# KiCad board hermod-right.kicad_pcb (continued)
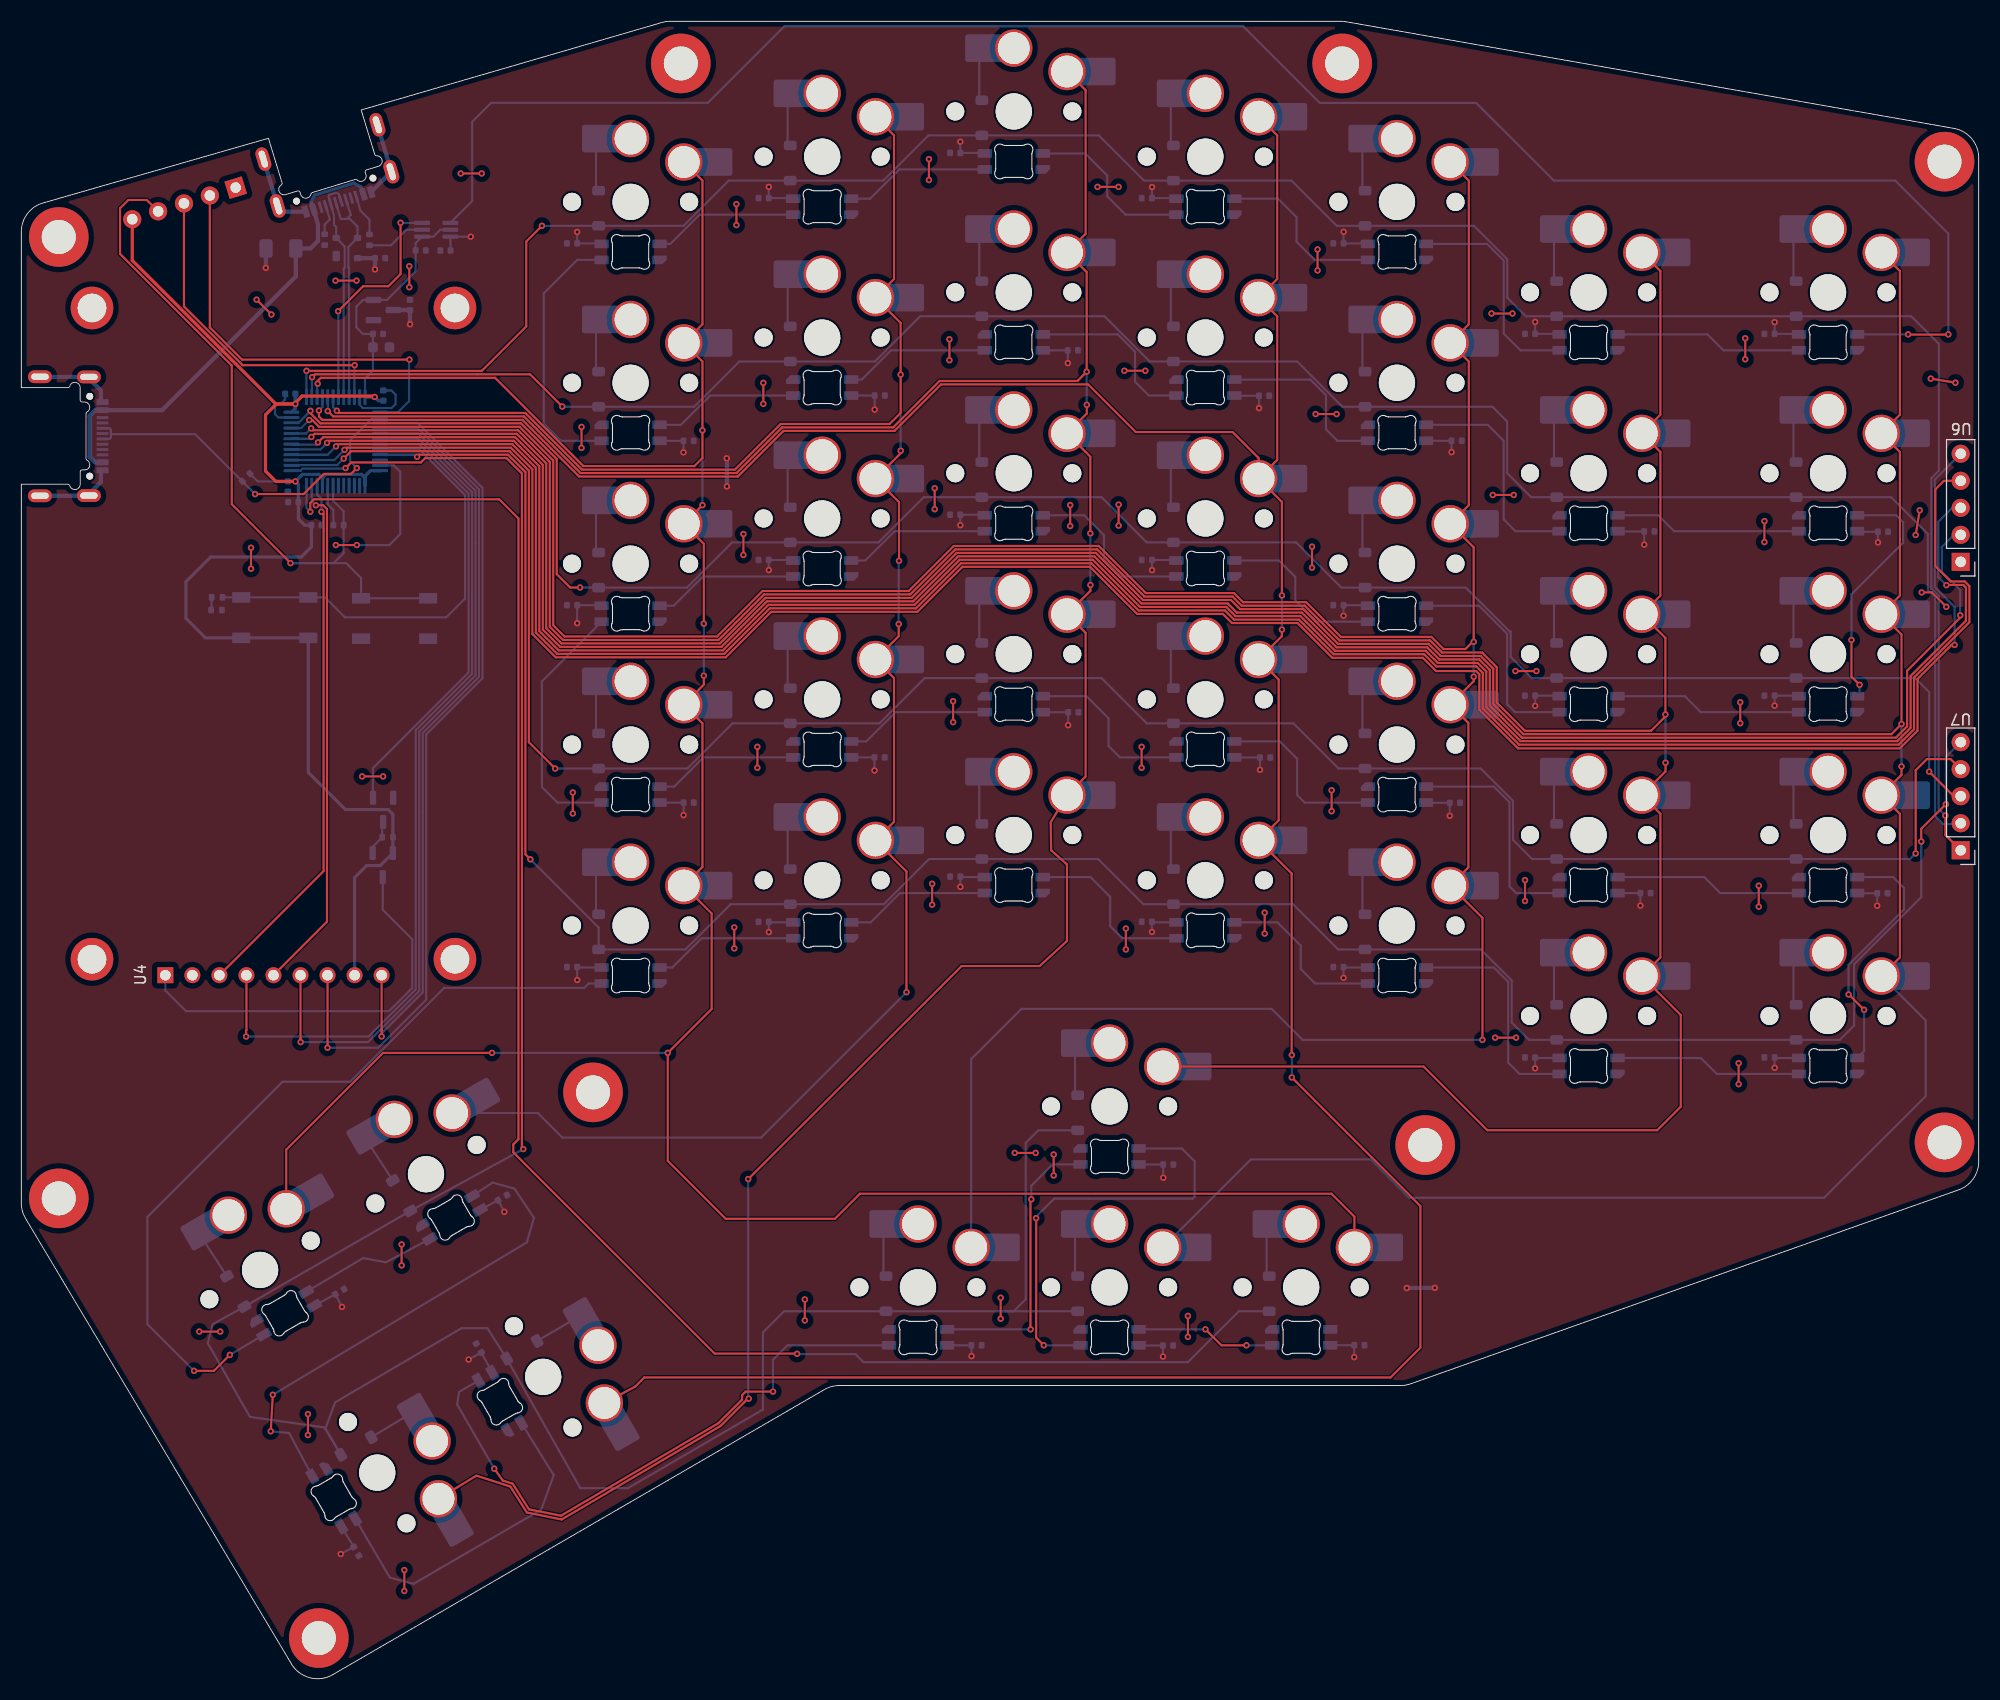
[diagram p0: board, top side]
## Footprints (pads in the part's own frame, mm; a bottom-side part is the same pattern mirrored in y, then rotated) (continued)
  oval 1.2x2.25 hole 0.6x1.65: S1(-5.595,-4.68) S1(-5.575,-0.08) S1(5.575,-0.08) S1(5.595,-4.68)

## Nets
+3V3: BOOT1.1 C44.2 C101.1 C102.1 C103.1 C104.1 C105.1 C106.1 C108.1 J2.5 Q1.2 R5.1 R6.1 U1.1 U1.9 U1.24 U1.36 U1.48 U3.2 U4.8 U5.1 U5.5
+5V: C1.1 C2.1 C3.1 C4.1 C5.1 C6.1 C7.1 C8.1 C9.1 C10.1 C11.1 C12.1 C13.1 C14.1 C15.1 C16.1 C17.1 C18.1 C19.1 C20.1 C21.1 C22.1 C23.1 C24.1 C25.1 C26.1 C27.1 C28.1 C29.1 C30.1 C31.1 C32.1 C33.1 C34.1 C35.1 C36.1 C37.1 C38.1 C39.1 C40.1 C41.1 C42.1 C43.1 C45.1 C107.1 C109.1 F1.2 LED1.1 LED2.1 LED3.1 LED4.1 LED5.1 LED6.1 LED7.1 LED8.1 LED9.1 LED10.1 LED11.1 LED12.1 LED13.1 LED14.1 LED15.1 LED16.1 LED17.1 LED18.1 LED19.1 LED20.1 LED21.1 LED22.1 LED23.1 LED24.1 LED25.1 LED26.1 LED27.1 LED28.1 LED29.1 LED30.1 LED31.1 LED32.1 LED33.1 LED34.1 LED35.1 LED36.1 LED37.1 LED38.1 LED39.1 LED40.1 LED41.1 LED42.1 LED43.1 U2.4 U3.3 U5.6
GND: C1.2 C2.2 C3.2 C4.2 C5.2 C6.2 C7.2 C8.2 C9.2 C10.2 C11.2 C12.2 C13.2 C14.2 C15.2 C16.2 C17.2 C18.2 C19.2 C20.2 C21.2 C22.2 C23.2 C24.2 C25.2 C26.2 C27.2 C28.2 C29.2 C30.2 C31.2 C32.2 C33.2 C34.2 C35.2 C36.2 C37.2 C38.2 C39.2 C40.2 C41.2 C42.2 C43.2 C44.1 C45.2 C100.2 C101.2 C102.2 C103.2 C104.2 C105.2 C106.2 C107.2 C108.2 C109.2 H1.1 H2.1 H3.1 H4.1 H5.1 H6.1 H7.1 H8.1 H9.1 J1.A1 J1.A12 J1.B1 J1.B12 J1.S1 J2.1 J3.A1 J3.A12 J3.B1 J3.B12 J3.S1 LED1.4 LED2.4 LED3.4 LED4.4 LED5.4 LED6.4 LED7.4 LED8.4 LED9.4 LED10.4 LED11.4 LED12.4 LED13.4 LED14.4 LED15.4 LED16.4 LED17.4 LED18.4 LED19.4 LED20.4 LED21.4 LED22.4 LED23.4 LED24.4 LED25.4 LED26.4 LED27.4 LED28.4 LED29.4 LED30.4 LED31.4 LED32.4 LED33.4 LED34.4 LED35.4 LED36.4 LED37.4 LED38.4 LED39.4 LED40.4 LED41.4 LED42.4 LED43.4 Q2.2 R1.1 R2.2 R4.2 RST1.2 U1.8 U1.23 U1.35 U1.47 U2.1 U3.1 U4.2 U5.2 U6.1
VBUS: F1.1 J1.A4 J1.A9 J1.B4 J1.B9 J3.A4 J3.A9 J3.B4 J3.B9
/B9: U1.46
/C13: U1.2
/C14: U1.3
/C15: U1.4
/F0: U1.5
/F1: U1.6
BOOT0: BOOT1.2 R3.1 U1.44
col0: CH1.1 CH8.1 CH15.1 CH22.1 CH29.1 CH36.1 CH43.1 U1.27
col1: CH2.1 CH9.1 CH16.1 CH23.1 CH30.1 CH37.1 U1.30
col2: CH3.1 CH10.1 CH17.1 CH24.1 CH31.1 CH38.1 U1.29
col3: CH4.1 CH11.1 CH18.1 CH25.1 CH32.1 CH39.1 U1.28
col4: CH5.1 CH12.1 CH19.1 CH26.1 CH33.1 CH40.1 U1.21
col5: CH6.1 CH13.1 CH20.1 CH27.1 CH34.1 CH41.1 U1.20
col6: CH7.1 CH14.1 CH21.1 CH28.1 CH35.1 CH42.1 U1.19
col7: U1.15 U6.5
col8: U1.16 U6.4
col9: U1.17 U6.3
col10: U1.18 U6.2
D+: J1.A6 J1.B6 U1.33 U2.3
D-: J1.A7 J1.B7 U1.32 U2.2
DOut1: LED1.2 LED8.3
DOut2: LED14.2 LED21.3
DOut3: LED15.2 LED22.3
DOut4: LED28.2 LED35.3
DOut5: LED29.2 LED36.3
LCD_CS: U1.10 U4.3
LCD_DC: U1.11 U4.5
LCD_EN: Q2.1 U1.43
LCD_MISO: U1.40 U4.9
LCD_MOSI: U1.41 U4.6
LCD_PWR: Q1.3 U4.1
LCD_RST: U1.42 U4.4
LCD_SCK: U1.39 U4.7
NRST: C100.1 J2.4 RST1.1 U1.7
RGB3.3: U1.31 U5.3
RGB5v: LED7.3 U5.4
row0: D1.1 D2.1 D3.1 D4.1 D5.1 D6.1 D7.1 U1.25 U7.1
row1: D8.1 D9.1 D10.1 D11.1 D12.1 D13.1 D14.1 U1.26 U7.2
row2: D15.1 D16.1 D17.1 D18.1 D19.1 D20.1 D21.1 U1.22 U7.3
row3: D22.1 D23.1 D24.1 D25.1 D26.1 D27.1 D28.1 U1.14 U7.4
row4: D29.1 D30.1 D31.1 D32.1 D33.1 D34.1 D35.1 U1.45 U7.5
row5: D36.1 D37.1 D38.1 D39.1 D40.1 D41.1 D42.1 U1.13
row6: D43.1 U1.12
SplitSerial: J3.A6 J3.B6 R5.2 U1.38
SWCLK: J2.2 U1.37
SWD: J2.3 U1.34
Net-(D1-A): CH1.2 D1.2
Net-(D2-A): CH2.2 D2.2
Net-(D3-A): CH3.2 D3.2
Net-(D4-A): CH4.2 D4.2
Net-(D5-A): CH5.2 D5.2
Net-(D6-A): CH6.2 D6.2
Net-(D7-A): CH7.2 D7.2
Net-(D8-A): CH8.2 D8.2
Net-(D9-A): CH9.2 D9.2
Net-(D10-A): CH10.2 D10.2
Net-(D11-A): CH11.2 D11.2
Net-(D12-A): CH12.2 D12.2
Net-(D13-A): CH13.2 D13.2
Net-(D14-A): CH14.2 D14.2
Net-(D15-A): CH15.2 D15.2
Net-(D16-A): CH16.2 D16.2
Net-(D17-A): CH17.2 D17.2
Net-(D18-A): CH18.2 D18.2
Net-(D19-A): CH19.2 D19.2
Net-(D20-A): CH20.2 D20.2
Net-(D21-A): CH21.2 D21.2
Net-(D22-A): CH22.2 D22.2
Net-(D23-A): CH23.2 D23.2
Net-(D24-A): CH24.2 D24.2
Net-(D25-A): CH25.2 D25.2
Net-(D26-A): CH26.2 D26.2
Net-(D27-A): CH27.2 D27.2
Net-(D28-A): CH28.2 D28.2
Net-(D29-A): CH29.2 D29.2
Net-(D30-A): CH30.2 D30.2
Net-(D31-A): CH31.2 D31.2
Net-(D32-A): CH32.2 D32.2
Net-(D33-A): CH33.2 D33.2
Net-(D34-A): CH34.2 D34.2
Net-(D35-A): CH35.2 D35.2
Net-(D36-A): CH36.2 D36.2
Net-(D37-A): CH37.2 D37.2
Net-(D38-A): CH38.2 D38.2
Net-(D39-A): CH39.2 D39.2
Net-(D40-A): CH40.2 D40.2
Net-(D41-A): CH41.2 D41.2
Net-(D42-A): CH42.2 D42.2
Net-(D43-A): CH43.2 D43.2
Net-(J1-CC1): J1.A5 R1.2
Net-(J1-CC2): J1.B5 R2.1
Net-(LED1-DIN): LED1.3 LED2.2
Net-(LED2-DIN): LED2.3 LED3.2
Net-(LED3-DIN): LED3.3 LED4.2
Net-(LED4-DIN): LED4.3 LED5.2
Net-(LED5-DIN): LED5.3 LED6.2
Net-(LED6-DIN): LED6.3 LED7.2
Net-(LED8-DOUT): LED8.2 LED9.3
Net-(LED10-DIN): LED9.2 LED10.3
Net-(LED10-DOUT): LED10.2 LED11.3
Net-(LED11-DOUT): LED11.2 LED12.3
Net-(LED12-DOUT): LED12.2 LED13.3
Net-(LED13-DOUT): LED13.2 LED14.3
Net-(LED15-DIN): LED15.3 LED16.2
Net-(LED16-DIN): LED16.3 LED17.2
Net-(LED17-DIN): LED17.3 LED18.2
Net-(LED18-DIN): LED18.3 LED19.2
Net-(LED19-DIN): LED19.3 LED20.2
Net-(LED20-DIN): LED20.3 LED21.2
Net-(LED22-DOUT): LED22.2 LED23.3
Net-(LED23-DOUT): LED23.2 LED24.3
Net-(LED24-DOUT): LED24.2 LED25.3
Net-(LED25-DOUT): LED25.2 LED26.3
Net-(LED26-DOUT): LED26.2 LED27.3
Net-(LED27-DOUT): LED27.2 LED28.3
Net-(LED29-DIN): LED29.3 LED30.2
Net-(LED30-DIN): LED30.3 LED31.2
Net-(LED31-DIN): LED31.3 LED32.2
Net-(LED32-DIN): LED32.3 LED33.2
Net-(LED33-DIN): LED33.3 LED34.2
Net-(LED34-DIN): LED34.3 LED35.2
Net-(LED36-DOUT): LED36.2 LED37.3
Net-(LED37-DOUT): LED37.2 LED38.3
Net-(LED38-DOUT): LED38.2 LED39.3
Net-(LED39-DOUT): LED39.2 LED40.3
Net-(LED40-DOUT): LED40.2 LED41.3
Net-(LED41-DOUT): LED41.2 LED42.3
Net-(LED42-DOUT): LED42.2 LED43.3
Net-(Q1-G): Q1.1 Q2.3 R6.2
Net-(R3-Pad2): R3.2 R4.1

Pads without a net: J1 A8 B8; J3 A5 A7 A8 B5 B7 B8; LED43 2

## Via types
v1: diameter 0.6, hole 0.3, Top to Bottom, 250 vias

## Routing (per net, layer and track width the routed paths; a pad name or vN(x,y) marks a point on that pad's centre or on a via; arc(x,y) is an arc through that point)
+3V3: length 163.8
  Top w0.3: v1(33.2,120.45) 33.11,120.53 26.38,120.53 25.75,119.9 v1(25.75,119.79) ; J2.5 10.43,133.28 23.91,119.79 v1(25.75,119.79) ; v1(25.75,119.79) 23.96,119.79 22.94,118.77 22.94,113.48 23.91,112.51 v1(25.75,112.51)
  Bottom w0.2: U5.5 39.36,136.16 38.71,135.51 U5.1 37.04,134.9 C44.2 37.04,132.25 34.36,129.57 U3.2 32.11,129.57 31.48,128.94 31.48,126.98 32.09,126.37 C105.1 33.04,126.37 C101.1 33.04,122.92 32.29,122.17 U1.36 32.3,120.45 ; R5.1 22.21,112.51 C104.1
  Bottom w0.3: 28.29,112.85 28.63,113.18 31.96,113.18 32.29,112.85 U1.1 32.29,113.01 32.8,113.52 U1.48 ; 28.29,112.85 U1.9 ; 28.29,112.85 27.96,113.18 26.42,113.18 v1(25.75,112.51) ; U4.8 31.31,75.28 32.44,76.41 33.72,76.41 Q1.2 34.91,81.25 34.47,81.68 30.45,81.68 26.96,85.17 BOOT1.1 BOOT1.1 17.3,97.81 15.47,99.64 15.47,103.09 17.79,105.41 26.3,105.41 27.25,106.36 C103.1 26.62,108.4 26.03,108.99 C102.1 26.03,112.23 v1(25.75,112.51) ; v1(25.75,119.79) C106.1 25.75,119.39 U1.24 ; v1(25.75,112.51) C104.1 ; 32.3,120.45 v1(33.2,120.45) 33.54,120.1 C108.1
+5V: length 161.9
  Bottom w0.2: LED38.1 C38.1 v1(30.01,11.72) ; LED23.1 C23.1 v1(80.15,85.35) ; v1(30.13,34.94) C36.1 LED36.1 ; 167.02,126.33 166.97,126.38 C7.1 v1(164.72,127.48) ; LED1.1 54.47,134.88 C1.1 v1(52.22,135.95) ; 108.52,71.08 106.27,71.08 C32.1 v1(106.22,70.17) ; v1(52.23,65.66) 52.22,65.67 C29.1 52.27,66.83 LED29.1 ; LED15.1 54.47,100.88 C15.1 v1(52.22,99.19) ; v1(134.37,115.26) 134.36,115.27 C12.1 LED12.1 ; v1(124.22,99.89) C19.1 126.47,100.88 126.52,100.83 ; LED9.1 C9.1 v1(80.17,119.26) ; v1(164.72,91.44) C21.1 166.97,92.38 167.02,92.33 ; LED8.1 59.98,116.32 C8.1 v1(62.21,115.24) ; C40.1 87.02,31.33 ; 126.52,134.83 126.47,134.88 C5.1 124.22,135.96 v1(124.23,135.97) ; v1(42.02,29.99) C39.1 LED39.1 ; v1(106.23,140.17) 106.22,140.16 C4.1 108.47,139.13 108.52,139.08 ; v1(116.28,119.4) C11.1 113.99,120.56 LED11.1 ; v1(88.22,74.41) C31.1 88.27,75.33 90.52,75.33 ; LED22.1 C22.1 v1(62.22,81.15) ; v1(98.35,89.6) C24.1 95.98,90.82 LED24.1 ; LED28.1 172.49,73.81 C28.1 v1(174.36,72.64) ; v1(45.38,43.88) C37.1 LED37.1 ; LED27.1 C27.1 v1(152.11,72.65) ; 107.28,48.28 107.28,47.09 ; v1(70.23,104.18) 70.22,104.19 C16.1 72.47,105.13 72.52,105.08 ; 107.26,31.28 v1(107.26,30.27) ; LED14.1 172.52,107.78 C14.1 174.42,106.79 v1(174.43,106.78) ; LED10.1 C10.1 98.31,123.64 v1(98.32,123.63) ; 90.52,109.33 90.47,109.38 C17.1 v1(88.22,108.4) ; 125.22,31.31 v1(125.22,30.22) ; LED13.1 149.99,107.81 C13.1 v1(152.47,106.57) ; 167.02,58.33 164.77,58.33 C35.1 v1(164.72,57.41) ; v1(116.37,85.41) C25.1 113.98,86.57 LED25.1 ; 72.52,139.08 72.47,139.13 C2.1 v1(70.22,140.19) ; 144.52,58.33 142.27,58.33 C34.1 v1(142.22,57.36) ; 36.51,127.29 v1(36.52,127.28) ; 144.52,92.33 144.47,92.38 C20.1 v1(142.22,91.42) ; C42.1 105.01,31.31 ; 36.5,128.62 C109.1 ; 90.52,143.33 90.47,143.38 C3.1 v1(88.22,144.44) ; C43.1 122.99,31.34 ; v1(70.23,70.16) 70.22,70.17 C30.1 70.27,71.08 72.52,71.08 ; 89.27,31.32 v1(89.27,30.31) ; v1(106.23,104.17) 106.22,104.18 C18.1 108.47,105.13 108.52,105.08 ; v1(134.2,81.09) C26.1 131.99,82.31 LED26.1 ; C45.1 U5.6 v1(42.22,135.51) ; v1(124.22,65.86) C33.1 124.27,66.83 126.52,66.83 ; v1(142.22,127.5) C6.1 144.47,126.38 144.52,126.33 ; 66.29,114.66 v1(66.27,114.68) ; C41.1 105.03,48.32
  Bottom w0.4: v1(132.8,36.73) 130.18,36.73 ; U3.3 36.5,128.62 ; U2.4 C107.1 v1(33.23,132.44) ; C109.1 36.51,127.29 ; F1.2 v1(22.97,132.58) ; v1(66.29,112.04) 66.29,114.66
  vias: v1(107.29,47.08) v1(130.16,36.71)
GND: length 167.6
  Top w0.2: v1(180.85,100.73) 179.5,102.08 v1(178.54,102.08) ; v1(177.97,107.48) v1(178.35,109.8) ; v1(66.98,68.63) v1(66.98,70.6) ; v1(116.81,70.02) v1(116.81,71.99) ; v1(98.54,108.32) v1(98.54,110.29) ; v1(33.99,84.79) v1(32.02,84.79) ; v1(103.77,68.53) v1(103.77,70.5) ; v1(36.45,130.76) v1(36.45,132.73) ; v1(69.71,119.8) v1(69.71,121.77) ; v1(161.49,89.79) v1(161.49,91.76) ; v1(43.25,141.45) v1(41.28,141.45) ; v1(31.52,106.53) v1(29.55,106.53) ; v1(21.58,104.31) v1(21.58,106.28) ; v1(51.81,81.31) v1(51.81,83.28) ; v1(92.01,33.83) v1(92.01,35.8) ; v1(105.25,85.6) v1(105.25,87.57) ; v1(69.15,85.6) v1(69.15,87.57) ; v1(163.23,72.55) v1(163.23,74.52) ; v1(85.27,140.83) v1(85.27,142.8) ; v1(31.49,131.38) v1(29.52,131.38) ; v1(67.84,105.6) v1(67.84,107.57) ; v1(161.96,123.99) v1(161.96,125.96) ; v1(121.26,104.41) v1(121.26,106.38) ; v1(87.19,123.9) v1(87.19,125.87) ; v1(73.61,33.67) v1(73.61,35.64) ; v1(105.6,122.91) v1(103.63,122.91) ; v1(140.21,111.24) v1(138.24,111.24) ; v1(35.73,38.84) v1(35.73,40.81) ; v1(85.81,109.9) v1(85.81,111.87) ; v1(161.34,55.87) v1(161.34,57.84) ; v1(140.09,128.29) v1(138.12,128.29) ; v1(26.93,22.9) v1(26.93,24.87) ; v1(109.6,32.12) v1(109.6,34.09) ; v1(163.76,106.81) v1(163.76,108.78) ; v1(67.18,136.6) v1(67.18,138.57) ; v1(85.57,72.73) v1(85.57,74.7) ; v1(103.09,108.36) v1(103.09,110.33) ; v1(140.43,60.24) v1(138.46,60.24) ; v1(22.11,129.59) v1(23.5,128.2) ; v1(179.39,122.17) v1(181.71,121.79) ; v1(121.78,132.34) v1(121.78,134.31) ; v1(95.3,49.41) v1(93.33,49.41) ; v1(18.69,32.62) v1(16.72,32.62) ; v1(35.98,8.24) v1(35.98,10.21) ; v1(52.63,115.66) v1(52.63,117.63) ; v1(123.57,118.84) v1(121.6,118.84) ; v1(96.99,47.29) v1(96.99,49.26) ; v1(142.34,94.69) v1(140.37,94.69) ; v1(141.27,73.08) v1(141.27,75.05) ; v1(123.1,81.52) v1(123.1,83.49) ; v1(87.54,89.89) v1(87.54,91.86) ; v1(103.08,140.19) v1(101.11,140.19)
  Bottom w0.2: U1.47 35,114.02 35.6,113.42 35.6,107.55 34.58,106.53 v1(31.52,106.53) ; C108.2 34.76,121.06 35.16,120.66 35.16,119.79 34.77,119.4 32.09,119.4 31.79,119.7 U1.35 ; 6.18,111.16 6.2,111.18 ; 99.47,49.88 99.52,49.83 ; U1.8 28.79,110.36 29.32,109.83 C100.2 ; 117.47,32.88 117.52,32.83 ; R2.2 34.72,134.7 36.18,136.16 U5.2 ; 26.05,118.52 U1.23 24.14,118.52 23.85,118.81 23.85,119.66 24.03,119.84 24.4,119.84 24.79,120.23 C106.2 ; 99.47,32.88 99.52,32.83 ; 81.47,32.88 81.52,32.83
  Bottom w0.4: 1.6,111.16 6.18,111.16 ; J1.S1 J1.S1 J1.A12 ; 7.48,113.56 7.48,112.46 6.2,111.18 ; J1.A1 24.63,137.86 J1.S1 J1.S1 ; 7.48,119.96 7.48,121.05 6.2,122.33 1.62,122.33 1.6,122.35
VBUS: length 44.2
  Bottom w0.3: 27.37,138.26 27.22,138.77 27.56,139.42 31.24,140.54 31.91,140.19 32.06,139.69
  Bottom w0.4: 7.48,114.31 6.95,114.31 6.43,114.83 6.43,118.68 6.96,119.21 7.48,119.21 ; 7.63,119.21 13.23,119.21 25.79,131.77 F1.1 27.16,134.4 27.87,135.11 27.87,136.67 J1.A4
BOOT0: length 43.8
  Bottom w0.2: R3.1 18.91,101.61 BOOT1.2 BOOT1.2 28.53,101.61 30.4,99.74 39.92,99.74 41.7,101.51 41.7,111.23 37.4,115.52 U1.44
col0: length 263.4
  Top w0.2: v1(27.84,121.7) 27.84,121.95 28.14,122.25 44.51,122.25 52.81,113.95 63.23,113.95 63.99,114.71 v1(63.99,117.31) 63.99,123.78 CH8.1 63.99,127.28 63.99,140.78 CH1.1 ; v1(44.22,58.81) 33.98,58.81 24.89,49.72 CH36.1 ; v1(63.99,110.28) CH15.1 64.12,106.65 v1(64.12,99.15) ; v1(64.12,94.26) 64.12,93.41 CH22.1 63.99,89.78 63.99,76.28 CH29.1 64.86,71.91 64.86,62.94 v1(60.73,58.81) 60.73,48.66 66.17,43.22 76.43,43.22 78.79,45.58 123.09,45.58 125.24,43.42 CH43.1
  Bottom w0.2: v1(44.22,58.81) v1(60.73,58.81) ; U1.27 27.79,121.65 v1(27.84,121.7) ; v1(64.12,94.26) v1(64.12,99.15) ; v1(63.99,117.31) v1(63.99,110.28)
col1: length 202
  Top w0.2: v1(29.64,119.15) 29.84,118.95 47.35,118.95 52.68,113.63 67.05,113.63 71.34,117.92 81.58,117.92 82.61,118.95 v1(82.61,122.55) 82.61,127.41 CH9.1 81.99,131.53 81.99,145.03 CH2.1 ; v1(82.62,115.4) 82.62,115.16 CH16.1 82.46,110.56 v1(82.46,105.05) ; v1(83.16,64.51) 83.16,75.86 CH30.1 81.99,80.53 81.99,94.03 CH23.1 82.43,97.97 v1(82.43,99.11)
  Bottom w0.2: v1(29.64,119.15) 29.29,119.5 U1.30 ; v1(82.61,122.55) 82.61,115.41 v1(82.62,115.4) ; CH37.1 48.52,53.16 50.83,50.85 69.5,50.85 v1(83.16,64.51) ; v1(82.43,99.11) 82.43,105.02 v1(82.46,105.05)
col2: length 262.6
  Top w0.2: v1(100.1,119.71) 100.1,118.89 CH17.1 100.43,114.84 v1(100.43,107.63) ; CH3.1 99.99,149.28 99.99,135.78 CH10.1 100.09,132.18 v1(100.09,122.82) 99.23,121.96 86.28,121.96 81.91,117.59 71.48,117.59 67.19,113.3 52.54,113.3 47.21,118.62 29.29,118.62 v1(28.79,119.13) ; CH38.1 42.75,19.08 45.95,18.05 47.49,15.62 50.76,14.96 65.69,23.75 68.26,26.32 v1(68.34,26.32) ; v1(100.44,102.78) 100.44,102.23 CH24.1 99.99,98.28 99.99,84.78 CH31.1 96.71,80.48 96.75,77.85 98.24,76.52 98.24,69.33 95.67,66.97 88.34,66.97 v1(68.29,46.95)
  Bottom w0.2: v1(100.1,119.71) 100.09,119.72 v1(100.09,122.82) ; v1(28.79,119.13) U1.29 ; v1(68.29,46.95) 68.29,26.37 v1(68.34,26.32) ; v1(100.44,102.78) 100.43,102.79 v1(100.43,107.63)
col3: length 307.8
  Top w0.2: v1(118.43,101.79) 118.43,110.59 CH18.1 ; CH18.1 116.24,114.71 113.8,117.15 104.7,117.15 100.22,121.63 86.41,121.63 82.04,117.26 71.61,117.26 67.32,112.97 52.4,112.97 47.08,118.3 28.28,118.3 27.97,118.61 27.97,119.17 v1(27.96,119.17) ; CH18.1 117.99,114.53 117.99,128.03 CH11.1 117.99,131.53 117.99,145.03 CH4.1 ; v1(118.43,98.59) 118.43,97.97 CH25.1 118.13,93.89 118.13,80.67 CH32.1 119.35,75.67 119.35,58.62 v1(119.36,58.61) ; CH39.1 57.66,27.44 58.53,28.31 128.64,28.31 131.44,31.11 131.44,44.42 v1(119.36,56.5)
  Bottom w0.2: v1(27.96,119.17) 28.29,119.5 U1.28 ; v1(118.43,98.59) v1(118.43,101.79) ; v1(119.36,58.61) v1(119.36,56.5)
col4: length 295.5
  Top w0.2: CH5.1 135.99,140.78 135.99,127.28 CH12.1 135.99,123.78 135.99,110.28 CH19.1 136.45,106.32 v1(136.45,97.44) 136.35,97.44 135.67,96.76 133.62,96.76 132.48,97.9 123.98,97.9 120.71,101.16 114.78,101.16 113.92,102.02 105.64,102.02 101.21,106.45 87.61,106.45 83.38,102.22 69.65,102.22 65.37,97.94 51.03,97.94 49.98,99 49.98,114.48 46.81,117.64 27.98,117.64 27.34,118.28 v1(27.05,118.28) ; v1(137.27,60.03) 137.27,71.5 CH33.1 135.95,76.24 135.95,89.82 CH26.1 136.45,93.74 v1(136.45,94.16)
  Bottom w0.2: v1(136.45,94.16) v1(136.45,97.44) ; v1(137.27,60.03) 120.38,60.03 117.46,62.95 93.96,62.95 89.24,58.23 CH40.1 ; v1(27.05,118.28) 26.29,117.52 U1.21
col5: length 299.9
  Top w0.2: v1(154.47,86.08) 154.47,85.26 CH27.1 153.99,81.28 153.99,67.78 CH34.1 155.9,62.37 155.9,53.75 153.69,51.54 137.73,51.54 131.74,57.53 CH41.1 ; CH6.1 153.99,132.28 153.99,118.78 CH13.1 153.99,115.28 153.99,101.78 CH20.1 154.46,97.81 v1(154.46,90.61) 154.46,90.43 153.12,89.09 141.26,89.09 138.61,91.73 138.61,95.06 137.24,96.44 133.48,96.44 132.34,97.58 123.84,97.58 120.58,100.84 114.65,100.84 113.79,101.7 105.51,101.7 101.08,106.13 87.74,106.13 83.51,101.9 69.78,101.9 65.5,97.62 50.89,97.62 49.65,98.86 49.65,114.34 46.67,117.32 27.42,117.32 v1(27.23,117.5)
  Bottom w0.2: U1.20 26.75,117.02 v1(27.23,117.5) ; v1(154.46,90.61) 154.47,90.6 v1(154.47,86.08)
col6: length 349.1
  Top w0.2: v1(27.25,116.69) 27.55,116.99 46.54,116.99 49.32,114.21 49.32,98.73 50.76,97.29 65.64,97.29 69.92,101.57 83.65,101.57 87.88,105.8 100.94,105.8 105.37,101.37 113.65,101.37 114.51,100.51 120.44,100.51 123.7,97.25 132.21,97.25 133.35,96.11 137.1,96.11 138.29,94.92 138.29,91.6 141.12,88.76 175.69,88.76 v1(176.64,89.71) 176.64,98.13 CH21.1 176.49,101.78 176.49,115.28 CH14.1 176.49,118.78 176.49,132.28 CH7.1 ; CH35.1 176.49,67.78 176.49,81.28 CH28.1 176.64,84.93 v1(176.64,85.73)
  Bottom w0.2: U1.19 27.08,116.52 v1(27.25,116.69) ; v1(176.64,85.73) v1(176.64,89.71) ; CH42.1 115.51,48.8 126.8,48.8 130.4,45.2 169.37,45.2 178.91,54.74 178.91,61.86 CH35.1
col7: length 213.1
  Top w0.2: v1(181.63,97.15) 181.35,97.15 178.15,93.95 178.15,89.09 176.48,87.42 140.61,87.42 136.98,91.05 136.98,94.38 136.67,94.69 132.92,94.69 131.67,95.94 123.16,95.94 119.9,99.2 113.74,99.2 112.88,100.06 104.83,100.06 100.4,104.49 88.42,104.49 84.19,100.26 70.46,100.26 66.18,95.98 50.21,95.98 48.01,98.18 48.01,113.66 46,115.68 30.57,115.68 v1(30.37,115.48)
  Bottom w0.2: U1.15 29.41,114.52 v1(30.37,115.48) ; U6.5 179.77,112.68 179.77,102.58 181.63,100.72 v1(181.63,97.15)
col8: length 212.7
  Top w0.2: U6.4 180.62,112.57 179.82,111.77 179.82,104.55 181.26,103.11 182.58,103.11 183.02,102.67 183.02,99.28 177.82,94.09 177.82,89.22 176.38,87.78 140.72,87.78 137.31,91.19 137.31,94.52 136.69,95.13 132.94,95.13 131.8,96.27 123.3,96.27 120.04,99.53 113.94,99.53 113.08,100.39 104.97,100.39 100.54,104.82 88.29,104.82 84.06,100.59 70.33,100.59 66.05,96.31 50.35,96.31 48.34,98.32 48.34,113.8 46.13,116.01 29.77,116.01 v1(29.57,115.81)
  Bottom w0.2: v1(29.57,115.81) 28.79,115.02 U1.16
col9: length 208.9
  Top w0.2: v1(28.73,116.14) 28.93,116.34 46.27,116.34 48.67,113.93 48.67,98.46 50.49,96.64 65.91,96.64 70.19,100.92 83.92,100.92 88.15,105.15 100.67,105.15 105.1,100.72 113.21,100.72 114.07,99.86 120.17,99.86 123.43,96.59 131.94,96.59 133.08,95.45 136.83,95.45 137.63,94.65 137.63,91.33 140.85,88.1 176.24,88.1 177.5,89.36 177.5,94.22 182.69,99.42 182.69,102.54 182.45,102.78 180.89,102.78 v1(180.86,102.76)
  Bottom w0.2: U1.17 28.11,115.52 v1(28.73,116.14) ; U6.3 181.41,110.03 180.1,108.72 180.1,103.53 v1(180.86,102.76)
col10: length 204.4
  Top w0.2: v1(182.16,99.93) 182.16,99.72 177.17,94.73 177.17,89.49 176.11,88.43 140.99,88.43 137.96,91.46 137.96,94.79 136.96,95.78 133.21,95.78 132.07,96.92 123.57,96.92 120.31,100.18 114.21,100.18 113.35,101.04 105.24,101.04 100.81,105.47 88.02,105.47 83.79,101.24 70.06,101.24 65.78,96.96 50.62,96.96 48.99,98.59 48.99,114.07 46.4,116.66 28.36,116.66 v1(27.87,116.18)
  Bottom w0.2: 182.34,99.86 182.23,99.86 v1(182.16,99.93) 182.16,102.31 180.42,104.05 180.42,106.35 181.56,107.49 U6.2 ; v1(27.87,116.18) 27.66,115.97 25.43,115.97 U1.18
D+: length 22
  Bottom w0.2: U1.33 30.79,132.58 30.73,132.64 30.73,134.54 U2.3 31.58,136.47 30.87,137.18 30.58,137.18 ; 29.53,138.72 29.9,137.58 30.01,137.18 30.58,137.18 ; 30.49,139.01 30.96,137.58 30.96,137.56 30.58,137.18
D-: length 21.2
  Bottom w0.2: U1.32 30.29,132.5 30.38,132.59 30.38,134.59 U2.2 29.58,136.43 29.38,136.63 29.38,137.49 29.05,138.57 ; 29.06,138.57 28.87,139.28 28.96,139.45 29.56,139.63 29.82,139.53 30.02,138.87
DOut1: length 25.1
  Bottom w0.2: LED8.3 50.67,116.33 49.08,117.92 49.08,130.18 52.23,133.33 LED1.2
DOut2: length 23.4
  Top w0.2: v1(171.94,97.61) 171.94,94.16 v1(172.7,93.4)
  Bottom w0.2: LED14.2 176.14,109.33 176.79,108.68 176.79,106.75 171.94,101.9 v1(171.94,97.61) ; v1(172.7,93.4) 172.7,92.57 LED21.3
DOut3: length 24.1
  Bottom w0.2: LED15.2 48.9,93.72 48.9,93.18 48.91,93.19 48.91,83.79 50.37,82.33 LED22.3
DOut4: length 23.9
  Top w0.2: v1(171.67,64.3) 171.69,64.3 v1(173.13,62.86)
  Bottom w0.2: LED28.2 175.85,75.33 176.88,74.31 176.88,72.29 171.67,67.08 v1(171.67,64.3) ; v1(173.13,62.86) 173.13,59 LED35.3
DOut5: length 75.7
  Top w0.2: v1(19.59,30.43) 18.09,28.93 v1(16.23,28.93)
  Bottom w0.2: LED29.2 53.3,65.33 52.89,64.92 39.73,64.92 30.91,56.1 24.55,56.1 11.84,43.39 11.84,33.32 v1(16.23,28.93) ; v1(19.59,30.43) LED36.3
LCD_CS: length 50.3
  Top w0.2: U4.3 28.4,75.89 28.4,109.46 v1(28.2,109.66)
  Bottom w0.2: U1.10 27.79,111.28 28.2,110.87 28.2,109.67 v1(28.2,109.66)
LCD_DC: length 49.1
  Top w0.2: v1(27.68,110.27) 28.36,110.27 28.72,109.91 28.72,71.14 U4.5
  Bottom w0.2: U1.11 27.29,110.65 v1(27.68,110.27)
LCD_EN: length 42.5
  Bottom w0.2: Q2.1 33.03,82.8 33.03,85.57 42.02,94.56 42.02,111.36 37.36,116.02 U1.43
LCD_MISO: length 72.6
  Top w0.2: U4.9 33.85,60.94 v1(33.85,60.36)
  Bottom w0.2: v1(33.85,60.36) 33.85,60.64 37.71,64.51 37.71,88.87 43,94.16 43,111.77 37.25,117.52 U1.40
LCD_MOSI: length 79.8
  Top w0.2: v1(26.24,59.82) 26.24,60.17 26.23,60.18 U4.6
  Bottom w0.2: v1(26.24,59.82) 32.57,59.82 37.39,64.64 37.39,89 42.68,94.29 42.68,111.63 37.29,117.02 U1.41
LCD_PWR: length 37.9
  Bottom w0.2: U4.1 13.53,64.67 15.47,62.73 34.55,62.73 36.73,64.91 36.73,69.48 33.96,72.26 Q1.3
LCD_RST: length 83.2
  Top w0.2: v1(21.12,60.35) 21.12,60.93 21.15,60.96 U4.4
  Bottom w0.2: v1(21.12,60.35) 32.63,60.35 37.06,64.78 37.06,89.14 42.35,94.43 42.35,111.5 37.32,116.52 U1.42
LCD_SCK: length 80.4
  Top w0.2: v1(28.77,59.3) U4.7
  Bottom w0.2: U1.39 37.21,118.02 43.33,111.9 43.33,94.02 38.04,88.73 38.04,63.8 33.53,59.3 v1(28.77,59.3)
NRST: length 71.9
  Top w0.2: v1(25.29,104.83) 25.14,104.98 25.14,105 19.77,110.37 19.77,123.4 9.28,133.89 9.28,138.19 10.05,138.96 11.79,138.96 J2.4
  Bottom w0.2: U1.7 29.29,110.7 30.28,109.71 C100.1 30.28,105.77 29.35,104.83 v1(25.29,104.83) 30.52,104.83 31.92,103.43 RST1.1 RST1.1
RGB3.3: length 22.2
  Top w0.2: v1(35.63,136.82) 35.63,132 34.48,130.85 32.11,130.85 v1(29.77,128.5)
  Bottom w0.2: U1.31 29.79,128.48 v1(29.77,128.5) ; U5.3 35.64,136.81 v1(35.63,136.82)
RGB5v: length 178.9
  Top w0.2: v1(177.26,126.33) 177.28,126.31 181.02,126.31 v1(181.04,126.33)
  Bottom w0.2: v1(181.04,126.33) 181.04,135.79 176.05,140.78 143.98,140.78 136.68,148.08 121.99,148.08 114.79,155.28 71.69,155.28 64.5,148.09 44.14,148.09 42.36,146.31 42.36,138.86 U5.4 ; v1(177.26,126.33) LED7.3
row0: length 228.9
  Top w0.2: v1(48.91,136.53) 47.44,135.06 47.44,127.08 43.27,122.9 v1(26.79,122.9) ; U7.1 180.76,79.29 v1(180.76,81.11)
  Bottom w0.2: v1(180.76,81.11) 180.14,81.73 180.14,101.75 179.44,102.44 179.44,112.81 180.15,113.52 180.15,125.44 177.56,128.03 D7.1 D6.1 141.35,128.03 139.6,129.78 139.6,133.4 136.47,136.53 D5.1 123.58,136.53 119.33,140.78 D4.1 105.47,140.78 101.22,145.03 D3.1 85.23,145.03 80.98,140.78 D2.1 66.46,140.78 62.21,136.53 D1.1 v1(48.91,136.53) ; v1(26.79,122.9) U1.25
row1: length 199.4
  Top w0.2: v1(27.32,122.3) 27.6,122.58 47.8,122.58 v1(50.82,119.55)
  Bottom w0.2: v1(27.32,122.3) 27.29,122.27 U1.26 ; v1(50.82,119.55) 50.84,119.53 D8.1 63.21,119.53 67.46,123.78 D9.1 80.19,123.78 84.44,128.03 D10.1 101.76,128.03 106.01,123.78 D11.1 119.86,123.78 124.11,119.53 D12.1 138.2,119.53 139.59,118.14 139.59,113.29 141.85,111.03 D13.1 D14.1 175.66,111.03 179.12,107.58 179.12,102.31 179.81,101.61 179.81,81.05 180.55,80.31 182.12,80.31 U7.2
row2: length 191.6
  Top w0.2: v1(27.16,119.15) 27.16,118.92 28.11,117.97 46.94,117.97 50.3,114.61 50.3,103.8 51.56,102.54 v1(52.49,102.54) ; v1(179.24,85.24) 181.55,82.93 U7.3
  Bottom w0.2: v1(179.24,85.24) 179.24,92.71 177.92,94.03 D21.1 D20.1 141.91,94.03 139.92,96.02 139.92,98.4 139.84,98.4 135.71,102.53 D19.1 124.02,102.53 119.77,106.78 D18.1 105.73,106.78 101.48,111.03 D17.1 84.78,111.03 80.53,106.78 D16.1 66.78,106.78 62.53,102.53 D15.1 54.23,102.54 v1(52.49,102.54) ; U1.22 26.05,118.02 27.16,119.14 v1(27.16,119.15)
row3: length 206.3
  Top w0.2: U7.4 181.25,86.42 179.02,86.42 177.97,85.37 v1(177.97,77.55) ; v1(30.29,114.66) 30.99,115.35 45.86,115.35 47.69,113.53 47.69,88.01 v1(50.16,85.53)
  Bottom w0.2: v1(50.16,85.53) D22.1 62.57,85.53 66.82,89.78 D23.1 80.62,89.78 84.87,94.03 D24.1 101.48,94.03 105.73,89.78 D25.1 119.51,89.78 123.76,85.53 D26.1 137.11,85.53 140.14,82.5 140.14,78.82 141.93,77.03 D27.1 D28.1 177.45,77.03 v1(177.97,77.55) ; v1(30.29,114.66) 29.67,114.03 25.39,114.03 U1.14
row4: length 224.4
  Top w0.2: v1(180.81,82.17) 180.8,82.17 178.5,79.87 v1(178.5,78.67) ; v1(47.83,77) 47.36,77.47 47.36,113.39 45.72,115.03 37.38,115.03 v1(37.18,114.83)
  Bottom w0.2: v1(178.5,78.67) 178.5,73.45 172.19,67.14 172.19,61.38 170.84,60.03 D35.1 D34.1 141.65,60.03 140.02,61.66 140.02,65.62 137.11,68.53 D33.1 123.72,68.53 119.47,72.78 D32.1 105.41,72.78 101.16,77.03 D31.1 85.29,77.03 81.04,72.78 D30.1 66.64,72.78 62.39,68.53 D29.1 54.24,70.59 v1(47.83,77) ; v1(37.18,114.83) 36.99,115.02 U1.45 ; U7.5 180.81,86.62 v1(180.81,82.17)
row5: length 258
  Top w0.2: v1(30.46,113.77) 30.99,114.3 37.55,114.3 37.95,114.7 45.59,114.7 47.03,113.26 47.03,49.9 v1(47.16,49.77)
  Bottom w0.2: 92.4,34.53 D42.1 ; 92.4,34.53 D40.1 71.66,34.53 69.67,32.54 69.67,25.29 56.99,17.91 52.51,17.91 45.6,30.09 43.79,32.94 41.36,32.94 29.48,25.97 28.57,23.5 D38.1 28.49,23.61 21.48,24.6 17.52,31.53 17.98,33.32 D36.1 D37.1 v1(47.16,49.77) ; 92.4,34.53 93.23,34.53 94.36,35.66 94.36,50.35 95.54,51.53 D41.1 ; v1(30.46,113.77) 30.4,113.71 26.42,113.71 26.23,113.52 U1.13
row6: length 164.8
  Top w0.2: v1(27.15,109.66) 27.15,109.66 27.15,110.49 27.49,110.83 44.9,110.83 46.71,109.03 46.71,50.7 46.22,50.22 46.22,49.47 65.14,30.55 72.86,30.55 v1(72.88,30.53)
  Bottom w0.2: D43.1 114.38,34.53 109.6,29.74 79.13,29.74 78.37,30.5 72.91,30.5 v1(72.88,30.53) ; v1(27.15,109.66) 26.79,110.02 U1.12
SplitSerial: length 35.7
  Top w0.2: v1(21.96,111.32) 26.52,111.32 28.41,113.21 30.97,113.21 v1(31.52,113.77)
  Bottom w0.2: v1(31.52,113.77) 30.9,114.4 30.9,116.38 33.04,118.52 U1.38 ; 8.42,117.24 8.42,116.95 16.33,116.95 v1(21.96,111.32) ; 8.42,117.24 8.42,116.64 8.29,116.51 7.64,116.51 ; 8.42,117.24 8.42,117.37 8.28,117.51 7.64,117.51
SWCLK: length 39.5
  Top w0.2: J2.2 17.71,126.99 20.74,123.96 v1(36.46,123.96)
  Bottom w0.2: v1(36.46,123.96) 36.43,123.93 36.43,120.05 35.4,119.02 U1.37
SWD: length 31
  Top w0.2: J2.3 15.28,128.95 20.81,123.43 31.32,123.43 v1(31.32,123.43)
  Bottom w0.2: U1.34 31.29,123.41 v1(31.32,123.43)
Net-(D1-A): length 5
  Bottom w0.2: CH1.2 54,140.08 D1.2
Net-(D2-A): length 5
  Bottom w0.2: 72,148.98 72,144.33 D2.2
Net-(D3-A): length 5
  Bottom w0.2: CH3.2 90,148.58 D3.2
Net-(D4-A): length 5
  Bottom w0.2: D4.2 108,144.33 CH4.2
Net-(D5-A): length 5
  Bottom w0.2: CH5.2 126,140.08 D5.2
Net-(D6-A): length 5
  Bottom w0.2: CH6.2 144,131.58 D6.2
Net-(D7-A): length 5
  Bottom w0.2: CH7.2 166.5,131.58 D7.2
Net-(D8-A): length 5
  Bottom w0.2: D8.2 54,123.08 CH8.2
Net-(D9-A): length 5
  Bottom w0.2: D9.2 72,127.33 72,131.98
Net-(D10-A): length 5
  Bottom w0.2: D10.2 90,131.58 CH10.2
Net-(D11-A): length 5
  Bottom w0.2: CH11.2 108,127.33 D11.2
Net-(D12-A): length 5
  Bottom w0.2: D12.2 126,123.08 CH12.2
Net-(D13-A): length 5
  Bottom w0.2: CH13.2 144,114.58 D13.2
Net-(D14-A): length 5
  Bottom w0.2: CH14.2 166.5,114.58 D14.2
Net-(D15-A): length 5
  Bottom w0.2: CH15.2 54,106.08 D15.2
Net-(D16-A): length 5
  Bottom w0.2: 72,114.98 72,110.33 D16.2
Net-(D17-A): length 5
  Bottom w0.2: CH17.2 90,114.58 D17.2
Net-(D18-A): length 5
  Bottom w0.2: CH18.2 108,110.33 D18.2
Net-(D19-A): length 5
  Bottom w0.2: CH19.2 126,106.08 D19.2
Net-(D20-A): length 5
  Bottom w0.2: CH20.2 144,97.58 D20.2
Net-(D21-A): length 5
  Bottom w0.2: CH21.2 166.5,97.58 D21.2
Net-(D22-A): length 5
  Bottom w0.2: CH22.2 54,89.08 D22.2
Net-(D23-A): length 5
  Bottom w0.2: 72,97.98 72,93.33 D23.2
Net-(D24-A): length 5
  Bottom w0.2: D24.2 90,97.58 CH24.2
Net-(D25-A): length 5
  Bottom w0.2: CH25.2 108,93.33 D25.2
Net-(D26-A): length 5
  Bottom w0.2: D26.2 126,89.08 CH26.2
Net-(D27-A): length 5
  Bottom w0.2: D27.2 144,80.58 CH27.2
Net-(D28-A): length 5
  Bottom w0.2: CH28.2 166.5,80.58 D28.2
Net-(D29-A): length 5
  Bottom w0.2: CH29.2 54,72.08 D29.2
Net-(D30-A): length 5
  Bottom w0.2: 72,80.98 72,76.33 D30.2
Net-(D31-A): length 5
  Bottom w0.2: CH31.2 90,80.58 D31.2
Net-(D32-A): length 5
  Bottom w0.2: D32.2 108,76.33 CH32.2
Net-(D33-A): length 5
  Bottom w0.2: D33.2 126,72.08 CH33.2
Net-(D34-A): length 5
  Bottom w0.2: D34.2 144,63.58 CH34.2
Net-(D35-A): length 5
  Bottom w0.2: D35.2 166.5,63.58 CH35.2
Net-(D36-A): length 4.9
  Bottom w0.2: CH36.2 D36.2
Net-(D37-A): length 4.9
  Bottom w0.2: CH37.2 D37.2
Net-(D38-A): length 4.8
  Bottom w0.2: CH38.2 32.88,22.7
Net-(D39-A): length 4.8
  Bottom w0.2: CH39.2 D39.2
Net-(D40-A): length 5
  Bottom w0.2: D40.2 81,38.08 CH40.2
Net-(D41-A): length 5
  Bottom w0.2: D41.2 99,55.08 CH41.2
Net-(D42-A): length 5
  Bottom w0.2: D42.2 99,38.08 CH42.2
Net-(D43-A): length 5
  Bottom w0.2: CH43.2 117,38.08 D43.2
Net-(J1-CC1): length 2.9
  Bottom w0.2: J1.A5 28.99,137.14 28.5,136.65 R1.2
Net-(J1-CC2): length 4
  Bottom w0.2: R2.1 32.71,137.11 31.86,137.96 J1.B5
Net-(LED1-DIN): length 13.7
  Bottom w0.2: 72.52,137.58 63.72,137.58 60.97,134.83 LED1.3
Net-(LED2-DIN): length 13.7
  Bottom w0.2: 90.52,141.83 82.49,141.83 79.74,139.08 LED2.3
Net-(LED3-DIN): length 16.1
  Bottom w0.2: LED3.3 99.95,143.33 102.02,141.26 102.02,139.3 103.74,137.58 108.52,137.58
Net-(LED4-DIN): length 16.3
  Bottom w0.2: 126.52,133.33 121.51,133.33 119.8,135.04 119.8,137.34 118.06,139.08 LED4.3
Net-(LED5-DIN): length 20.7
  Bottom w0.2: LED5.3 137.71,134.83 139.28,133.27 139.28,126.4 140.84,124.83 144.52,124.83
Net-(LED6-DIN): length 17.7
  Bottom w0.2: LED6.3 158.41,126.33 159.91,124.83 167.02,124.83
Net-(LED8-DOUT): length 13.7
  Bottom w0.2: 72.52,120.58 64.72,120.58 61.97,117.83 LED8.2
Net-(LED10-DIN): length 13.7
  Bottom w0.2: 90.52,124.83 81.71,124.83 78.96,122.08 LED9.2
Net-(LED10-DOUT): length 16.6
  Bottom w0.2: 108.52,120.58 105.93,120.58 104.63,121.88 104.63,124.7 103,126.33 LED10.2
Net-(LED11-DOUT): length 16.8
  Bottom w0.2: LED11.2 121.1,122.08 122.58,120.6 122.58,117.41 123.65,116.33 126.52,116.33
Net-(LED12-DOUT): length 21
  Bottom w0.2: 144.52,107.83 140.38,107.83 139.27,108.95 139.27,116.34 137.78,117.83 LED12.2
Net-(LED13-DOUT): length 17.7
  Bottom w0.2: 167.02,107.83 155.28,107.83 153.78,109.33 LED13.2
Net-(LED15-DIN): length 13.7
  Bottom w0.2: LED15.3 61.29,100.83 64.04,103.58 72.52,103.58
Net-(LED16-DIN): length 13.7
  Bottom w0.2: LED16.3 79.29,105.08 82.04,107.83 90.52,107.83
Net-(LED17-DIN): length 16.3
  Bottom w0.2: LED17.3 99.85,109.33 101.71,107.47 101.71,105.17 103.3,103.58 108.52,103.58
Net-(LED18-DIN): length 16.2
  Bottom w0.2: LED18.3 118.15,105.08 119.69,103.54 119.69,101.32 121.68,99.33 126.52,99.33
Net-(LED19-DIN): length 20.6
  Bottom w0.2: LED19.3 136.95,100.83 139.6,98.19 139.6,91.57 140.33,90.83 144.52,90.83
Net-(LED20-DIN): length 17.7
  Bottom w0.2: LED20.3 156.28,92.33 157.78,90.83 167.02,90.83
Net-(LED22-DOUT): length 13.7
  Bottom w0.2: 72.52,86.58 64.08,86.58 61.33,83.83 LED22.2
Net-(LED23-DOUT): length 13.7
  Bottom w0.2: 90.52,90.83 82.13,90.83 79.38,88.08 LED23.2
Net-(LED24-DOUT): length 16.5
  Bottom w0.2: 108.52,86.58 103.21,86.58 102.15,87.64 102.15,90.24 100.06,92.33 LED24.2
Net-(LED25-DOUT): length 16.9
  Bottom w0.2: 126.52,82.33 120.57,82.33 119.86,83.04 119.86,86.45 118.23,88.08 LED25.2
